# KiCad board phase-control.kicad_pcb (continued)
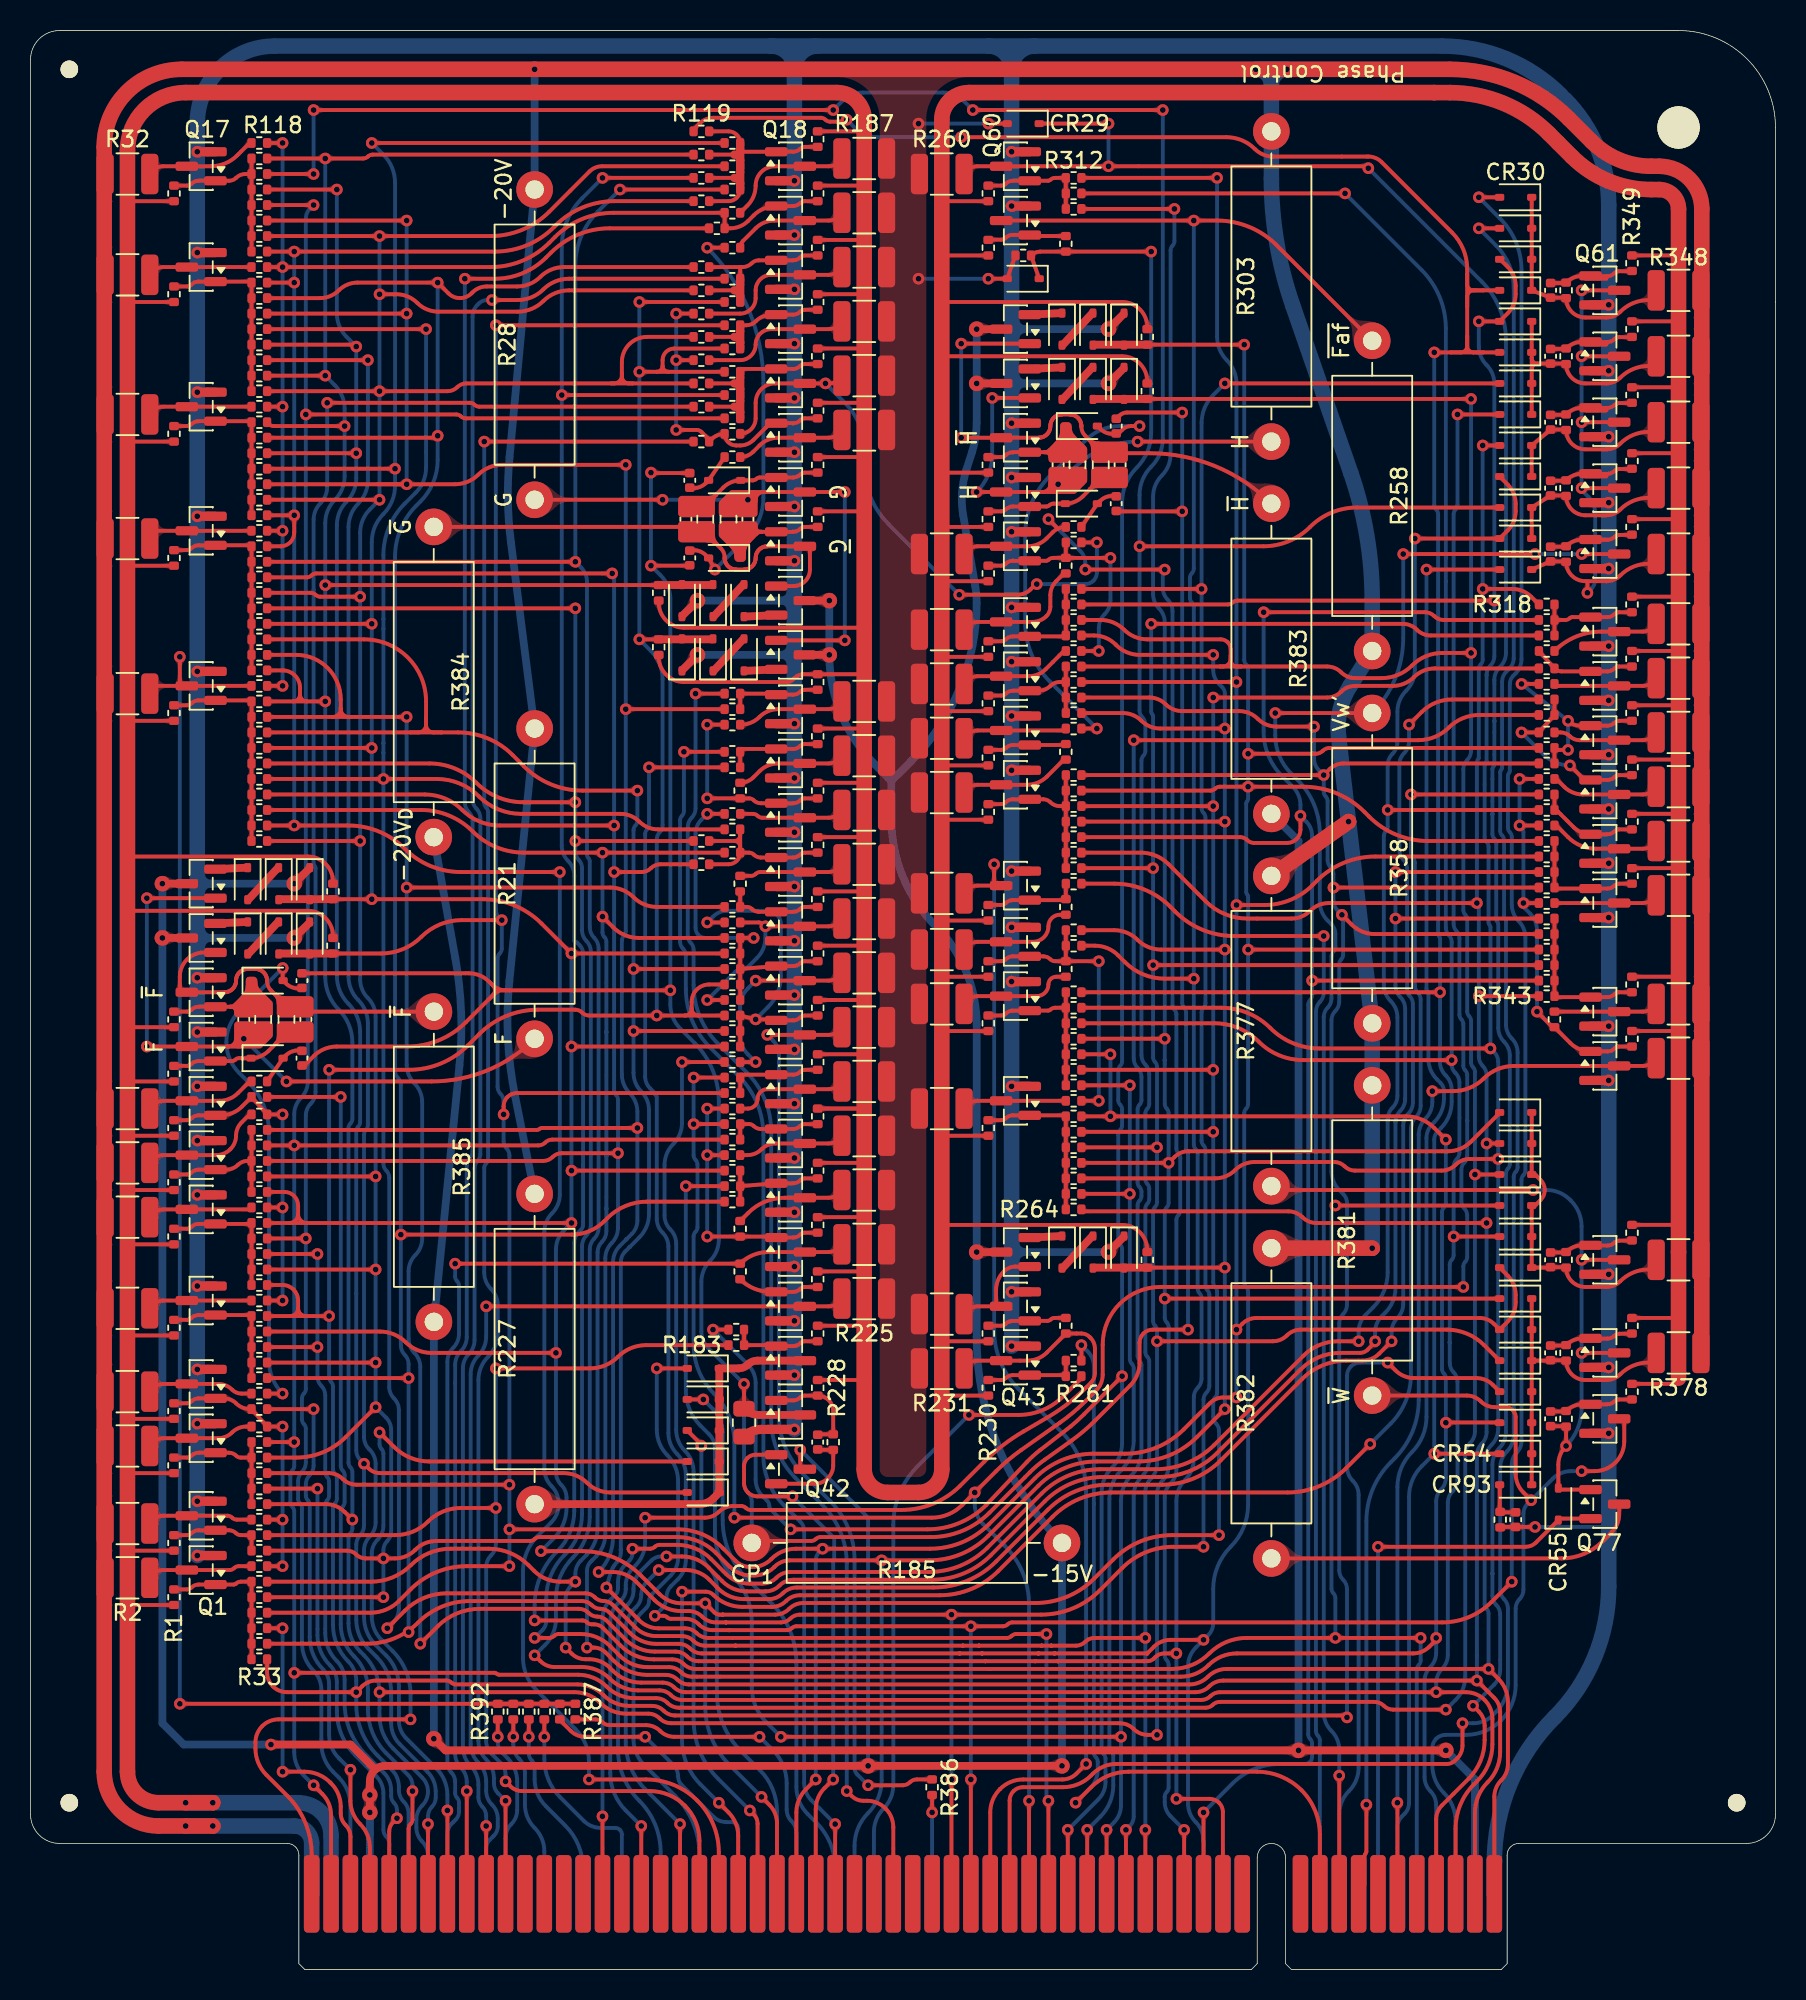
[diagram p0: board, top side]
## Routing (per net, layer and track width the routed paths; a pad name or vN(x,y) marks a point on that pad's centre or on a via; arc(x,y) is an arc through that point) (continued)
~{Q2}: length 349.4
  Top w0.254: v1(86.11,116.33) R311.1 ; v1(93.09,59.56) 83.37,59.56 arc(81.79,59.88) 80.45,60.77 arc(79.12,61.66) 77.54,61.98 R276.1 ; v1(93.22,48.01) CR47.2 ; v1(33.02,20.57) 33.4,20.19 arc(33.82,19.91) 34.32,19.81 36.1,19.81 arc(37.1,19.61) 37.94,19.05 arc(38.79,18.48) 39.79,18.28 41.2,18.28 arc(41.61,18.2) 41.95,17.97 arc(42.3,17.73) 42.71,17.65 44.73,17.65 76.68,17.65 arc(77.01,17.72) 77.3,17.91 arc(77.58,18.09) 77.91,18.16 v1(92.08,18.16) 94.02,18.16 arc(94.69,18.03) 95.25,17.65 arc(95.63,17.09) 95.76,16.43 95.76,14.75 arc(95.5,13.44) 94.76,12.33 94.55,12.13 arc(93.66,10.79) 93.34,9.22 93.34,4.95 ; v1(38.61,116.59) R124.1 ; v1(35.69,92.2) R91.1
  Bottom w0.254: v1(38.61,116.59) 37.15,115.13 arc(36.07,113.51) 35.69,111.6 v1(35.69,92.2) 36.07,91.82 arc(36.35,91.4) 36.45,90.9 36.45,73.03 arc(36.47,72.91) 36.54,72.81 arc(36.61,72.7) 36.63,72.58 36.63,68.27 arc(36.71,67.89) 36.92,67.57 arc(37.14,67.25) 37.21,66.88 37.21,48.57 arc(37.14,48.19) 36.92,47.87 arc(36.71,47.55) 36.63,47.17 36.63,29.65 arc(36.35,28.2) 35.52,26.98 arc(34.7,25.75) 34.42,24.3 34.42,22.96 arc(34.24,22.05) 33.72,21.27 v1(33.02,20.57) ; v1(86.11,116.33) 91.12,111.32 arc(92.3,109.56) 92.71,107.47 92.71,68.21 arc(92.76,67.97) 92.9,67.75 arc(93.04,67.54) 93.09,67.29 v1(93.09,59.56) 93.09,59.26 arc(93.15,58.99) 93.3,58.75 93.34,58.71 arc(93.53,58.43) 93.6,58.1 93.6,53.52 arc(93.55,53.27) 93.41,53.06 arc(93.27,52.84) 93.22,52.6 v1(93.22,48.01) 93.22,46.79 arc(93.18,46.62) 93.09,46.48 arc(93,46.34) 92.96,46.18 92.96,39.73 arc(93.03,39.39) 93.22,39.11 arc(93.41,38.83) 93.47,38.5 93.47,32.09 arc(93.39,31.68) 93.15,31.33 arc(92.92,30.98) 92.84,30.56 92.84,20.6 arc(92.74,20.11) 92.46,19.68 arc(92.17,19.26) 92.08,18.77 v1(92.08,18.16)
~{Q3}: length 262.4
  Top w0.254: v1(35.69,89.15) R88.1 ; v1(92.08,21.72) 92.08,21.65 arc(92.06,21.59) 92.03,21.55 91.63,21.15 arc(91.14,20.82) 90.56,20.7 79.01,20.7 arc(78.02,20.5) 77.17,19.94 arc(76.33,19.38) 75.33,19.18 45.17,19.18 43.34,19.18 arc(42.93,19.26) 42.58,19.49 arc(42.24,19.72) 41.83,19.8 40.41,19.8 arc(39.42,20) 38.59,20.56 37.98,21.17 arc(37.09,21.76) 36.04,21.97 34.6,21.97 arc(34.43,21.94) 34.29,21.84 arc(34.15,21.75) 33.98,21.72 v1(33.02,21.72) ; R78.1 26.14,78.99 arc(27.8,78.66) 29.2,77.72 arc(30.61,76.78) 32.27,76.45 v1(35.69,76.45) ; v1(92.71,35.81) 92.73,35.81 arc(92.74,35.82) 92.75,35.82 arc(92.76,35.83) 92.77,35.83 96.2,35.83 arc(96.22,35.83) 96.22,35.82 CR53.2 ; v1(70.74,59.94) 68.84,59.94 arc(68.84,59.94) R274.1 ; v1(35.69,73.91) R156.1 ; v1(92.71,54.36) 91.95,55.12 arc(91.1,55.68) 90.11,55.88 v1(70.74,55.88) 68.84,55.88 arc(68.84,55.88) R270.1
  Bottom w0.254: v1(70.74,59.94) v1(70.74,55.88) ; v1(35.69,89.15) v1(35.69,76.45) v1(35.69,73.91) 35.69,73.21 arc(35.74,72.92) 35.91,72.68 arc(36.07,72.44) 36.12,72.15 36.12,68.06 arc(36.2,67.68) 36.41,67.36 arc(36.63,67.04) 36.7,66.67 36.7,48.78 arc(36.63,48.4) 36.41,48.08 arc(36.2,47.76) 36.12,47.38 36.12,29.82 arc(35.84,28.41) 35.05,27.22 34.95,27.12 arc(34.09,25.83) 33.78,24.29 33.78,22.82 arc(33.72,22.51) 33.54,22.24 v1(33.02,21.72) ; v1(92.71,54.36) 92.71,50.22 arc(92.68,50.05) 92.58,49.91 arc(92.49,49.77) 92.46,49.6 92.46,39.34 arc(92.49,39.17) 92.58,39.03 arc(92.68,38.89) 92.71,38.72 v1(92.71,35.81) 92.71,32.2 arc(92.63,31.78) 92.39,31.43 arc(92.16,31.08) 92.08,30.67 v1(92.08,21.72) 92.08,20.73 arc(91.98,20.23) 91.69,19.81 arc(91.41,19.39) 91.31,18.89 91.31,12.6 arc(91.41,12.11) 91.69,11.68 arc(91.98,11.26) 92.08,10.76 92.08,4.95
~{Q4}: length 399.1
  Top w0.254: v1(36.45,21.08) 36.9,21.08 arc(37.31,21) 37.66,20.77 38.24,20.19 arc(39.23,19.53) 40.39,19.3 41.62,19.3 arc(42.03,19.21) 42.37,18.98 arc(42.72,18.75) 43.13,18.67 44.96,18.67 75.9,18.67 arc(76.57,18.8) 77.13,19.18 arc(77.69,19.55) 78.36,19.68 v1(95.5,19.68) 96.14,19.05 arc(96.61,18.35) 96.77,17.52 96.77,13.46 arc(96.66,12.87) 96.33,12.38 arc(96,11.89) 95.89,11.31 95.89,5.13 arc(95.93,5.06) 96.01,5.08 96.14,5.21 ; v1(95.89,89.66) 79.05,89.66 arc(78.88,89.63) 78.74,89.53 arc(78.6,89.44) 78.43,89.41 R300.1 ; R266.1 77.6,51.82 arc(78.3,51.96) 78.9,52.35 arc(79.49,52.75) 80.19,52.89 85.4,52.89 arc(85.76,52.82) 86.08,52.61 arc(86.39,52.4) 86.76,52.32 92.43,52.32 arc(92.92,52.42) 93.34,52.7 arc(93.77,52.99) 94.26,53.09 v1(96.14,53.09) ; R65.1 33.58,52.96 arc(33.91,53.03) 34.2,53.21 arc(34.48,53.4) 34.81,53.47 v1(38.48,53.47) ; R158.1 41.25,72.39 arc(40.92,72.32) 40.64,72.14 arc(40.36,71.95) 40.03,71.88 v1(38.23,71.88) ; v1(38.23,74.93) 30.73,74.93 arc(29.4,75.19) 28.28,75.95 arc(27.15,76.7) 25.82,76.96 R76.1 ; R90.1 18.11,91.19 arc(18.27,91.22) 18.41,91.31 arc(18.56,91.41) 18.72,91.44 38.1,91.44 arc(38.1,91.44) 38.1,91.44 v1(38.1,91.44) ; CR32.2 96.25,112.01 arc(96.26,112.01) 96.28,112 96.77,111.51 arc(97.15,110.94) 97.28,110.28 97.28,109.74 arc(97.15,109.06) 96.76,108.47 CR34.2 v1(94.87,107.95) ; R277.1 78,62.99 arc(79.74,62.65) 81.22,61.66 arc(82.69,60.67) 84.44,60.32 v1(95.63,60.32)
  Bottom w0.254: v1(36.45,21.08) 36.45,26.12 arc(36.51,26.44) 36.69,26.71 37.05,27.06 arc(37.49,27.73) 37.65,28.51 37.65,46.57 arc(37.76,47.11) 38.06,47.58 arc(38.37,48.04) 38.48,48.58 v1(38.48,53.47) 38.48,56.97 arc(38.45,57.14) 38.35,57.28 arc(38.26,57.42) 38.23,57.58 v1(38.23,71.88) v1(38.23,74.93) 38.23,91.23 arc(38.21,91.31) 38.16,91.38 v1(38.1,91.44) ; v1(95.5,19.68) 95.5,23.32 arc(95.47,23.48) 95.38,23.62 arc(95.28,23.76) 95.25,23.93 95.25,33.28 arc(95.37,33.86) 95.69,34.35 arc(96.02,34.84) 96.14,35.42 v1(96.14,53.09) 96.14,59.46 arc(96.07,59.79) 95.89,60.07 v1(95.63,60.32) 95.63,68.27 arc(95.61,68.35) 95.57,68.42 arc(95.52,68.49) 95.5,68.58 95.5,73.55 arc(95.47,73.72) 95.38,73.86 arc(95.28,74) 95.25,74.16 95.25,78.84 arc(95.27,78.92) 95.31,78.99 arc(95.36,79.06) 95.38,79.14 95.38,84.79 95.38,84.79 arc(95.44,85.12) 95.63,85.4 arc(95.82,85.68) 95.89,86.02 v1(95.89,89.66) 95.89,103.87 arc(95.75,104.53) 95.38,105.09 arc(95,105.66) 94.87,106.32 v1(94.87,107.95)
~{r1}: length 62.9
  Top w0.254: v1(29.84,43.43) Q39.3 52.28,43.43 arc(52.61,43.5) 52.89,43.69 R225.2
  Bottom w0.254: v1(29.84,43.43) 29.84,41.44 arc(29.71,40.78) 29.34,40.22 arc(28.96,39.65) 28.83,38.99 28.83,14.77 arc(28.96,14.11) 29.34,13.55 arc(29.71,12.98) 29.84,12.32 29.84,11.71 arc(29.94,11.22) 30.23,10.79 arc(30.51,10.37) 30.61,9.88 30.61,9.37 arc(30.54,9.04) 30.35,8.76 30.07,8.48 arc(29.9,8.23) 29.84,7.94 29.84,4.95
~{R}: length 60.4
  Top w0.254: v1(72.01,50.8) R265.1 ; v1(72.01,57.91) 71.88,57.91 arc(71.88,57.91) 71.88,57.91 R272.1 ; v1(69.21,9.14) 69.21,4.95
  Bottom w0.254: v1(69.21,9.14) 70.07,10 arc(70.7,10.94) 70.92,12.06 70.92,14.02 arc(70.89,14.18) 70.8,14.33 arc(70.7,14.47) 70.67,14.63 70.67,30.81 arc(70.88,31.85) 71.47,32.73 arc(72.06,33.61) 72.26,34.66 72.26,39.37 arc(72.23,39.54) 72.14,39.68 arc(72.04,39.82) 72.01,39.98 v1(72.01,50.8) v1(72.01,57.91)
~{S2}: length 45.6
  Top w0.254: v1(88.9,39.75) 89.41,39.24 arc(89.97,38.87) 90.63,38.73 94.71,38.73 arc(95.3,38.62) 95.79,38.29 CR52.2
  Bottom w0.254: 85.73,4.95 85.73,10.15 arc(85.89,10.98) 86.36,11.68 arc(86.83,12.39) 86.99,13.22 86.99,31.08 arc(86.9,31.58) 86.61,32 arc(86.33,32.43) 86.23,32.92 86.23,38.88 arc(86.3,39.22) 86.49,39.5 arc(86.77,39.68) 87.1,39.75 v1(88.9,39.75)
~{T3}: length 70.6
  Top w0.254: v1(40.26,29.59) 44.17,29.59 arc(44.66,29.69) 45.08,29.97 arc(45.51,30.25) 46,30.35 46.56,30.35 arc(46.72,30.32) 46.86,30.23 arc(47,30.13) 47.17,30.1 57.06,30.1 arc(59.14,30.51) 60.9,31.69 62.46,33.25 arc(63.69,34.33) 65.05,35.25 66.56,36.13 arc(67.92,37.04) 69.15,38.12 69.46,38.43 arc(69.65,38.72) 69.72,39.07 69.72,40.68 arc(69.65,41.05) 69.44,41.37 69.37,41.43 arc(69.13,41.6) 68.83,41.66 68.52,41.66 68.51,41.65 R263.1 66.57,40.41 arc(65.98,40.02) 65.29,39.88 Q43.3 62.02,39.88 arc(61.69,39.81) 61.41,39.62 R231.2 ; v1(40,9.4) 40,4.95
  Bottom w0.254: v1(40,9.4) 38.99,10.41 arc(38.24,11.54) 37.97,12.87 37.97,22.76 arc(38.11,23.42) 38.48,23.98 38.71,24.22 arc(38.92,24.52) 38.99,24.89 38.99,25.16 arc(39.11,25.77) 39.46,26.3 39.62,26.46 arc(40.09,27.16) 40.26,27.99 v1(40.26,29.59)
~{W}: length 55.4
  Top w0.254: R381.2 94.08,37.59 arc(94.57,37.49) 95,37.21 arc(95.42,36.93) 95.92,36.83 96.63,36.83 arc(96.88,36.78) 97.09,36.64 arc(97.23,36.43) 97.28,36.18 97.28,32.47 arc(97.41,31.8) 97.79,31.24 v1(98.3,30.73) ; 104.39,36.07 104.39,34.59 arc(104.25,33.84) 103.82,33.21 arc(103.19,32.79) 102.44,32.64 v1(101.6,32.64)
  Bottom w0.254: v1(101.6,32.64) 100.9,32.64 arc(100.26,32.51) 99.71,32.15 v1(98.3,30.73) 98.04,30.48 arc(97.86,30.2) 97.79,29.87 97.79,24.87 arc(97.72,24.54) 97.54,24.26 arc(97.35,23.98) 97.28,23.64 97.28,18.62 arc(97.03,17.37) 96.33,16.32 arc(95.27,15.61) 94.03,15.37 92.69,15.37 arc(92.36,15.3) 92.08,15.11 arc(91.89,14.83) 91.82,14.5 91.82,13.4 arc(92.02,12.4) 92.58,11.56 arc(93.15,10.71) 93.34,9.72 93.34,4.95
~{β6}: length 38.9
  Top w0.254: v1(65.91,90.74) 65.88,90.74 arc(65.85,90.74) 65.83,90.72 65.5,90.39 arc(65.11,90.13) 64.66,90.04 v1(60.83,90.04) ; R195.2 52.84,104.09 arc(52.62,103.94) 52.35,103.89 v1(52.07,103.89) Q22.3 48.77,103.89 arc(47.87,103.51) 47.5,102.62 47.5,101.6 arc(47.2,100.88) R143.1 ; v1(69.85,93.47) R304.1
  Bottom w0.254: v1(65.91,90.74) 69.09,90.74 arc(69.38,90.8) 69.63,90.96 arc(69.79,91.21) 69.85,91.5 v1(69.85,93.47) ; v1(52.07,103.89) 53.34,102.62 arc(54.28,101.21) 54.61,99.55 54.61,98.52 arc(55.02,96.44) 56.2,94.67 v1(60.83,90.04)
α9: length 138.8
  Top w0.254: R286.1 79.23,74.17 arc(79.48,74.12) 79.69,73.98 arc(79.9,73.84) 80.15,73.79 82.32,73.79 arc(82.65,73.85) 82.93,74.04 arc(83.12,74.32) 83.18,74.65 v1(83.18,75.56) ; v1(80.77,88.9) 91.33,88.9 arc(91.67,88.83) 91.95,88.65 arc(92.23,88.46) 92.56,88.39 R319.1 ; R342.1 83.95,64.77 v1(83.95,64.77) ; v1(76.83,10.29) 76.83,4.95
  Bottom w0.254: v1(76.83,10.29) 78.71,12.16 arc(80.15,13.12) 81.85,13.46 83.49,13.46 arc(83.67,13.5) 83.81,13.6 arc(83.91,13.74) 83.95,13.92 83.95,14.79 arc(83.91,14.96) 83.82,15.1 arc(83.73,15.24) 83.69,15.41 83.69,63.19 arc(83.73,63.36) 83.82,63.5 arc(83.91,63.64) 83.95,63.81 v1(83.95,64.77) 83.95,74.26 arc(83.85,74.76) 83.57,75.18 v1(83.18,75.56) 83.18,76.26 arc(83.06,76.91) 82.69,77.46 81.98,78.17 arc(81.09,79.5) 80.77,81.08 v1(80.77,88.9)
Net-(CR1-A): length 3
  Top w0.254: R70.1 16.47,59.59 arc(16.55,59.69) 16.63,59.78 16.72,59.86 arc(17.09,60.11) 17.53,60.2
Net-(CR1-K): length 8.3
  Top w0.254: 12.15,59.47 12.18,59.44 ; 12.15,59.47 arc(12.14,59.49) 12.16,59.5 ; 12.15,59.47 arc(12.11,59.49) 12.07,59.5 ; 12.07,59.5 12.16,59.5 ; 12.07,59.5 11.01,59.5 arc(10.75,59.45) 10.54,59.31 arc(10.4,59.22) 10.24,59.18 R17.1 ; 12.16,59.5 13.2,59.5 arc(13.32,59.52) 13.41,59.59 arc(13.52,59.66) 13.66,59.69 CR1.1 arc(15.06,59.81) 15.59,60.16 16.06,60.64 ; 16.08,60.65 16.07,60.65 16.08,60.65 ; 16.08,60.65 arc(16.21,60.85) 16.26,61.09 ; 16.08,60.65 arc(16.28,60.79) 16.51,60.83
Net-(CR2-A): length 33.1
  Top w0.254: CR2.2 16.53,64.78 arc(16.52,64.8) 16.52,64.82 v1(16.52,65.59) ; v1(16.51,37.72) R50.2 ; 16.72,64.6 arc(17.09,64.35) 17.53,64.26
  Bottom w0.254: v1(16.52,65.59) 13.65,62.73 arc(13.04,61.81) 12.83,60.73 arc(13.04,59.65) 13.65,58.74 14.22,58.17 arc(15.26,56.62) 15.62,54.79 15.62,39.87 arc(15.85,38.7) v1(16.51,37.72)
Net-(CR2-K): length 7.3
  Top w0.254: 13.08,63.06 Q10.1 11.01,63.06 arc(10.75,63.01) 10.54,62.86 arc(10.4,62.77) 10.24,62.74 R18.1 ; 13.08,63.06 13.46,63.06 ; 13.08,63.06 13.14,63.06 arc(13.37,62.96) 13.46,62.74 ; 13.08,63.06 arc(13.26,63.09) 13.41,63.19 13.92,63.7 ; 14.22,64.43 arc(14.15,64.04) 13.93,63.71 ; 14.73,64.67 arc(14.8,64.34) 14.99,64.06
Net-(CR4-K): length 2.9
  Top w0.508: 16.22,68.61 14.26,66.51
Net-(CR5-K): length 2.1
  Top w0.508: 14.19,68.61 Q11.2
Net-(CR7-K): length 2.9
  Top w0.508: 16.22,72.17 14.26,70.07
Net-(CR8-K): length 2.1
  Top w0.508: 14.19,72.17 Q12.2
Net-(CR9-A): length 3
  Top w0.254: R145.1 44.49,97.64 arc(44.41,97.54) 44.33,97.45 44.24,97.36 arc(43.87,97.12) 43.43,97.03
Net-(CR9-K): length 8.3
  Top w0.254: R198.1 50.72,98.04 arc(50.56,98.01) 50.42,97.92 arc(50.21,97.77) 49.95,97.72 48.89,97.72 ; 48.8,97.72 47.76,97.72 arc(47.64,97.7) 47.55,97.64 arc(47.44,97.56) 47.3,97.54 CR9.1 arc(45.9,97.41) 45.37,97.06 44.9,96.59 ; 48.8,97.72 48.89,97.72 ; 48.8,97.72 arc(48.82,97.74) 48.81,97.76 ; 44.88,96.57 44.89,96.58 44.88,96.57 ; 44.88,96.57 arc(44.68,96.44) 44.45,96.39 ; 44.88,96.57 arc(44.75,96.37) 44.7,96.14 ; 48.89,97.72 arc(48.85,97.73) 48.81,97.76 ; 48.81,97.76 48.78,97.79
Net-(CR10-A): length 26.1
  Top w0.254: v1(44.32,112.78) R128.2 ; v1(44.83,91.69) CR10.2 ; 44.24,92.63 arc(43.87,92.88) 43.43,92.96
  Bottom w0.254: v1(44.83,91.69) 46.93,93.79 arc(47.73,94.99) 48.01,96.39 48.01,103.88 arc(47.05,108.7) v1(44.32,112.78)
Net-(CR10-K): length 7.3
  Top w0.254: 47.04,93.52 47.55,94.03 arc(47.7,94.13) 47.88,94.17 ; R199.1 50.72,94.49 arc(50.56,94.45) 50.42,94.36 arc(50.21,94.22) 49.95,94.17 Q25.1 47.88,94.17 ; 47.88,94.17 47.5,94.17 ; 47.88,94.17 47.82,94.17 arc(47.59,94.26) 47.5,94.49 ; 46.74,92.8 arc(46.81,93.19) 47.03,93.52 ; 46.23,92.55 arc(46.16,92.89) 45.97,93.17
Net-(CR12-K): length 2.9
  Top w0.508: 44.74,88.61 46.7,90.71
Net-(CR13-K): length 2.1
  Top w0.508: 46.77,88.61 Q26.2
Net-(CR16-A): length 2.9
  Top w0.508: 44.74,85.06 46.7,87.16
Net-(CR16-K): length 2.1
  Top w0.508: 46.77,85.06 Q27.2
Net-(CR20-A): length 3
  Top w0.254: R305.1 69.81,95.91 arc(69.89,96.01) 69.97,96.1 70.06,96.18 arc(70.43,96.43) 70.87,96.52
Net-(CR20-K): length 8.3
  Top w0.254: 65.41,95.82 65.5,95.82 ; 65.41,95.82 64.35,95.82 arc(64.09,95.77) 63.88,95.63 arc(63.74,95.54) 63.58,95.51 R253.1 ; 65.41,95.82 arc(65.45,95.82) 65.49,95.79 ; 65.5,95.82 66.54,95.82 arc(66.66,95.85) 66.75,95.91 arc(66.86,95.99) 67,96.01 CR20.1 arc(68.4,96.13) 68.93,96.49 69.4,96.96 ; 65.5,95.82 arc(65.48,95.81) 65.49,95.79 ; 69.42,96.98 69.41,96.97 69.42,96.98 ; 69.42,96.98 arc(69.62,97.11) 69.85,97.15 ; 69.42,96.98 arc(69.55,97.17) 69.6,97.41 ; 65.49,95.79 65.52,95.76
Net-(CR21-A): length 29.4
  Top w0.254: v1(72.64,101.09) 72.09,101.09 arc(71.78,101.03) 71.52,100.85 71.33,100.67 arc(71.27,100.63) 71.2,100.61 C12.1 ; v1(69.85,81.28) R292.2 ; 70.06,100.92 arc(70.43,100.67) 70.87,100.58
  Bottom w0.254: v1(69.85,81.28) 66.74,84.39 arc(65.57,86.15) 65.15,88.23 65.15,93.95 arc(65.57,96.03) 66.74,97.79 69.12,100.17 arc(70.14,100.85) 71.34,101.09 v1(72.64,101.09)
Net-(CR21-K): length 7.3
  Top w0.254: 66.42,99.38 Q56.1 64.35,99.38 arc(64.09,99.33) 63.88,99.19 arc(63.74,99.09) 63.58,99.06 R254.1 ; 66.42,99.38 66.48,99.38 arc(66.71,99.29) 66.8,99.06 ; 66.42,99.38 66.8,99.38 ; 66.42,99.38 arc(66.6,99.42) 66.75,99.52 67.26,100.03 ; 67.56,100.75 arc(67.49,100.36) 67.27,100.03 ; 68.07,100.99 arc(68.14,100.66) 68.33,100.38
Net-(CR23-K): length 2.9
  Top w0.508: 69.56,104.94 67.6,102.84
Net-(CR24-K): length 2.1
  Top w0.508: 67.53,104.94 Q57.2
Net-(CR26-K): length 2.9
  Top w0.508: 69.56,108.49 67.6,106.39
Net-(CR27-K): length 2.1
  Top w0.508: 67.53,108.49 Q58.2
Net-(CR30-K): length 15.1
  Top w0.254: C14.2 CR33.1 CR30.1 ; C14.2 100.51,109.5 arc(100.55,109.49) R313.1 arc(100.96,108.58) 101.85,108.2 103.22,108.2 arc(103.72,108.3) 104.14,108.58 arc(104.98,109.15) 105.98,109.35 106.17,109.35 ; C14.2 arc(99.54,109.48) 99.5,109.47
Net-(CR34-K): length 15.8
  Top w0.254: 98.33,105.55 CR35.1 CR34.1 ; 98.33,105.55 98.33,104.82 ; 98.33,105.55 arc(98.44,105.29) 98.7,105.18 ; 98.33,104.82 CR37.1 ; 98.33,104.82 arc(98.44,105.08) 98.7,105.18 ; 98.7,105.18 C15.2 100.51,105.18 arc(100.55,105.18) R314.1 arc(100.96,104.26) 101.85,103.89 103.22,103.89 arc(103.72,103.99) 104.14,104.27 arc(104.98,104.83) 105.98,105.03 106.17,105.03
Net-(CR38-K): length 11.3
  Top w0.254: 106.17,100.71 105.98,100.71 arc(104.98,100.51) 104.14,99.95 arc(103.72,99.67) 103.22,99.57 101.85,99.57 arc(100.96,99.94) R315.1 arc(100.55,100.86) 100.51,100.87 C16.2 CR38.1 CR39.1
Net-(CR40-K): length 11.1
  Top w0.254: CR41.1 CR40.1 C17.2 100.51,96.55 arc(100.55,96.54) R316.1 arc(100.96,95.62) 101.85,95.25 103.22,95.25 arc(103.72,95.35) 104.14,95.63 arc(104.98,96.19) 105.98,96.39 106.17,96.39
Net-(CR42-K): length 39.9
  Top w0.254: v1(101.98,90.17) 101.98,90.93 ; 106.17,92.07 105.98,92.07 arc(104.98,91.88) 104.14,91.31 arc(103.72,91.03) 103.22,90.93 101.85,90.93 arc(100.96,91.3) R317.1 arc(100.55,92.22) 100.51,92.23 C18.2 CR42.1 ; v1(101.6,105.66) Q62.3 ; v1(101.6,101.35) Q63.3 ; v1(101.6,109.98) Q61.3 ; v1(101.6,97.03) Q64.3
  Bottom w0.254: v1(101.98,90.17) 102.23,90.42 arc(102.42,90.71) 102.49,91.04 102.49,95.38 arc(102.37,95.96) 102.04,96.46 101.64,96.86 arc(101.61,96.91) 101.6,96.96 v1(101.6,97.03) v1(101.6,109.98)
Net-(CR43-K): length 19.8
  Top w0.254: CR43.1 98.33,52.1 ; 106.17,45.85 105.98,45.85 arc(104.98,45.65) 104.14,45.08 arc(103.72,44.8) 103.22,44.7 101.85,44.7 arc(100.96,45.08) R345.1 arc(100.55,45.99) 100.51,46 99.58,46 arc(99.57,46) 99.57,45.99 arc(99.56,45.98) 99.55,45.97 CR48.1 98.33,49.94 ; CR45.1 98.44,52.07 arc(98.54,52.05) 98.63,51.99 98.92,51.7 arc(99.12,51.41) 99.19,51.05 arc(99.12,50.7) 98.92,50.4 98.63,50.12 arc(98.54,50.06) 98.44,50.04 CR46.1
Net-(CR49-K): length 21.1
  Top w0.254: CR49.1 CR52.1 CR93.1 ; CR51.1 99.55,39.88 arc(99.56,39.88) 99.57,39.89 arc(99.57,39.9) 99.58,39.91 100.51,39.91 arc(100.55,39.9) R346.1 arc(100.96,38.98) 101.85,38.61 103.22,38.61 arc(103.72,38.71) 104.14,38.99 arc(104.98,39.55) 105.98,39.75 106.17,39.75
Net-(CR55-A): length 49
  Top w0.254: v1(98.42,51.05) 81.71,51.05 arc(81.55,51.09) 81.41,51.18 R377.2 ; v1(101.6,40.39) Q75.3 ; Q77.1 100.13,31.43 arc(100.09,31.44) 100.08,31.48 ; 100.08,31.58 100.08,31.48 ; 100.08,31.58 100.08,33.06 arc(100.21,33.73) v1(100.58,34.29) R347.1 arc(100.55,35.58) 100.51,35.59 C21.2 ; 100.08,31.58 arc(100.07,31.53) 100.04,31.49 ; 100.08,31.48 arc(100.06,31.5) 100.04,31.49 ; 100.04,31.49 99.98,31.43 ; v1(101.6,46.48) Q74.3
  Bottom w0.254: v1(98.42,51.05) 99.31,51.05 arc(100.14,50.89) 100.83,50.43 100.9,50.36 arc(101.42,49.58) 101.6,48.67 v1(101.6,46.48) v1(101.6,40.39) 101.6,36.74 arc(101.34,35.42) v1(100.58,34.29)
Net-(CR56-K): length 26.2
  Top w0.508: Q40.3 47.6,39.88 arc(47.27,39.81) 46.99,39.62 arc(46.71,39.44) 46.38,39.37 CR58.1 CR59.1 44.74,30.86 arc(44.32,30.58) 43.82,30.48 R227.2
Net-(CR91-K): length 2.9
  Top w0.508: 69.56,48.04 67.6,45.94
Net-(CR92-K): length 2.1
  Top w0.508: 67.53,48.04 Q45.2
Net-(CR93-A): length 2.8
  Top w0.254: 97.28,29.98 97.28,29.96 arc(97.28,29.95) 97.26,29.94 96.34,29.94 arc(96.3,29.95) R900.1 arc(96.24,30.01) 96.23,30.06 CR93.2
Net-(Q1-B): length 10.3
  Top w0.254: 14.48,20.45 14.48,25.53 ; R1.1 10.24,24.89 arc(10.4,24.93) 10.54,25.02 arc(10.75,25.16) 11.01,25.21 Q1.1 13.31,25.21 arc(13.39,25.23) 13.46,25.27 arc(13.6,25.37) 13.77,25.4 R38.2
Net-(Q1-C): length 6.9
  Top w0.254: R2.2 8.07,25.91 arc(8.35,26.1) 8.68,26.16 Q1.3 13.03,26.16 arc(13.19,26.2) 13.33,26.29 arc(13.48,26.38) 13.64,26.42 R39.1
Net-(Q2-B): length 6.3
  Top w0.254: 14.48,27.56 14.48,28.57 ; R3.1 10.24,28.45 arc(10.4,28.48) 10.54,28.57 arc(10.75,28.72) 11.01,28.77 Q2.1 13,28.77 arc(13.25,28.72) 13.46,28.57 arc(13.6,28.48) 13.77,28.45 R41.2
Net-(Q2-C): length 6.9
  Top w0.254: R4.2 8.07,29.46 arc(8.35,29.65) 8.68,29.72 Q2.3 12.9,29.72 arc(13.07,29.68) 13.21,29.59 arc(13.35,29.5) 13.51,29.46 R42.1
Net-(Q3-B): length 9.3
  Top w0.254: R5.1 10.24,33.53 arc(10.4,33.56) 10.54,33.65 arc(10.75,33.8) 11.01,33.85 Q3.1 13,33.85 arc(13.25,33.8) 13.46,33.65 arc(13.6,33.56) 13.77,33.53 R46.2 ; 14.48,30.61 14.48,34.67
Net-(Q3-C): length 7
  Top w0.254: R6.2 8.07,34.54 arc(8.35,34.73) 8.68,34.8 Q3.3 12.29,34.8 arc(12.79,34.9) 13.21,35.18 arc(13.63,35.46) 14.13,35.56 R48.1
Net-(Q4-B): length 19.1
  Top w0.254: R7.1 10.24,37.09 arc(10.4,37.12) 10.54,37.21 arc(10.75,37.35) 11.01,37.4 12.69,37.4 arc(13.11,37.32) 13.46,37.08 arc(13.88,36.8) 14.38,36.7 14.43,36.7 arc(14.47,36.69) 14.51,36.67 R48.2 v1(16.51,35.56) ; v1(16.51,29.46) R42.2 ; v1(16.51,26.42) R39.2
  Bottom w0.254: v1(16.51,26.42) v1(16.51,29.46) v1(16.51,35.56)
Net-(Q5-B): length 9.2
  Top w0.254: 14.48,38.86 14.48,42.93 ; R9.1 10.24,42.55 arc(10.4,42.58) 10.54,42.67 arc(10.75,42.81) 11.01,42.86 Q5.1 14.32,42.86 arc(14.4,42.85) R55.2
Net-(Q5-C): length 6.8
  Top w0.254: R56.1 Q5.3 8.68,43.81 arc(8.35,43.75) 8.07,43.56 R10.2
Net-(Q6-B): length 9.3
  Top w0.254: R11.1 10.24,48.52 arc(10.4,48.55) 10.54,48.64 arc(10.75,48.78) 11.01,48.83 Q6.1 14.45,48.83 arc(14.47,48.84) 14.48,48.86 R61.2 ; 14.48,44.96 14.48,49.02
Net-(Q6-C): length 6.9
  Top w0.254: R12.2 8.07,49.53 arc(8.35,49.72) 8.68,49.78 Q6.3 14.41,49.78 arc(14.46,49.8) 14.48,49.85 R62.1
Net-(Q7-B): length 9.4
  Top w0.254: R65.2 14.2,52.96 arc(13.87,52.89) 13.59,52.7 arc(13.24,52.47) 12.83,52.39 11.01,52.39 arc(10.75,52.34) 10.54,52.2 arc(10.4,52.1) 10.24,52.07 R13.1 ; 14.48,51.05 14.48,55.12
Net-(Q7-C): length 8.4
  Top w0.254: R14.2 8.07,53.09 arc(8.35,53.27) 8.68,53.34 Q7.3 12.16,53.34 arc(12.66,53.44) 13.08,53.72 13.1,53.74 arc(13.37,54.14) 13.46,54.61 arc(13.56,55.08) 13.82,55.48 14.48,56.13
Net-(Q8-B): length 22.3
  Top w0.254: v1(16.51,49.91) R62.2 ; v1(16.51,43.81) R56.2 ; R15.1 10.24,55.63 arc(10.4,55.66) 10.54,55.75 arc(10.75,55.9) 11.01,55.95 12.47,55.95 arc(13.21,56.09) 13.84,56.51 14.47,57.15 arc(14.47,57.15) 14.48,57.15 arc(14.48,57.15) 14.48,57.15 R68.2 v1(16.51,56.01)
  Bottom w0.254: v1(16.51,43.81) v1(16.51,49.91) v1(16.51,56.01)
Net-(Q13-B): length 14.3
  Top w0.254: R22.1 10.24,82.81 arc(10.4,82.84) 10.54,82.93 arc(10.75,83.07) 11.01,83.12 Q13.1 14.32,83.12 arc(14.4,83.11) R82.2 R73.2
Net-(Q13-C): length 103.8
  Top w0.254: 8.32,84.07 Q13.3 R83.1 ; v1(9.78,85.98) 9.78,84.07 ; v1(9.78,17.4) 31.88,17.4 ; R392.1 R387.1
  Bottom w0.254: v1(9.78,85.98) 9.78,17.4 arc(9.78,17.4) 9.78,17.4 v1(9.78,17.4)
Net-(Q14-B): length 13.3
  Top w0.254: R24.1 10.24,92.97 arc(10.4,93) 10.54,93.09 arc(10.75,93.23) 11.01,93.28 Q14.1 14.32,93.28 arc(14.4,93.27) R92.2 R84.2
Net-(Q14-C): length 6.2
  Top w0.254: 8.32,94.23 Q14.3 R93.1
Net-(Q15-B): length 11.3
  Top w0.254: R26.1 10.24,101.09 arc(10.4,101.13) 10.54,101.22 arc(10.75,101.36) 11.01,101.41 Q15.1 14.32,101.41 arc(14.4,101.39) R100.2 R94.2
Net-(Q15-C): length 6.8
  Top w0.254: R101.1 Q15.3 8.68,102.36 arc(8.35,102.3) 8.07,102.11 R27.2
Net-(Q16-B): length 12.3
  Top w0.254: R102.2 R109.2 arc(14.4,110.54) 14.32,110.56 Q16.1 11.01,110.56 arc(10.75,110.51) 10.54,110.36 arc(10.4,110.27) 10.24,110.24 R29.1
Net-(Q16-C): length 6.8
  Top w0.254: R30.2 8.07,111.25 arc(8.35,111.44) 8.68,111.51 Q16.3 R110.1
Net-(Q17-B): length 11.4
  Top w0.254: R117.2 R111.2 ; R116.2 14.08,117.6 arc(13.74,117.54) 13.46,117.35 arc(13.25,117.21) 13.01,117.16 Q17.1 11.01,117.16 arc(10.75,117.11) 10.54,116.97 arc(10.4,116.87) 10.24,116.84 R31.1
Net-(Q17-C): length 7.3
  Top w0.254: R32.2 8.07,117.86 arc(8.35,118.04) 8.68,118.11 Q17.3 11.81,118.11 arc(12.75,118.3) 13.55,118.83 14.26,119.55 arc(14.36,119.61) R118.1
Net-(Q18-B): length 18.8
  Top w0.254: R121.2 46.1,118.87 arc(46.37,118.98) 46.48,119.25 ; R186.1 50.72,119.38 arc(50.56,119.35) 50.42,119.25 arc(50.21,119.11) 49.95,119.06 Q18.1 46.48,119.06 ; R119.2 45.72,120.4 arc(46.26,120.17) R120.2 ; R125.2 45.72,115.82 arc(46.26,116.05) R124.2 ; R123.2 46.1,117.35 arc(46.37,117.46) 46.48,117.73
  Top w0.54: 46.48,118.49 46.48,116.97 ; 46.48,118.49 R120.2 ; 46.48,118.49 arc(46.37,118.76) 46.1,118.87 ; 46.48,116.97 R124.2 ; 46.48,116.97 arc(46.37,117.24) 46.1,117.35
Net-(Q18-C): length 8.7
  Top w0.254: R187.2 52.89,118.36 arc(52.61,118.18) 52.28,118.11 Q18.3 48.77,118.11 arc(47.87,117.74) 47.5,116.84 arc(47.36,116.13) 46.96,115.54 R126.1
Net-(Q19-B): length 78.3
  Top w0.254: v1(16.51,94.23) R93.2 ; v1(16.51,84.07) R83.2 ; 45.47,115.05 R127.2 45.83,114.05 arc(46.47,114.17) 47.01,114.53 47.37,114.89 arc(48.05,115.34) Q19.1 49.95,115.5 arc(50.21,115.55) 50.42,115.7 arc(50.56,115.79) 50.72,115.82 R188.1 ; v1(16.51,102.36) R101.2 ; v1(16.51,119.63) R118.2 ; R110.2 v1(16.51,111.51) 30.13,111.51 arc(32.21,111.92) 33.98,113.1 34.35,113.47 arc(36.11,114.65) 38.19,115.06 45.42,115.06 arc(45.44,115.05) 45.44,115.03 45.41,115
  Bottom w0.254: v1(16.51,84.07) v1(16.51,94.23) v1(16.51,102.36) v1(16.51,111.51) v1(16.51,119.63)
Net-(Q20-B): length 12.4
  Top w0.254: R131.2 46.1,109.98 arc(46.37,110.09) 46.48,110.36 ; 46.48,111.51 R129.2 ; 46.48,111.51 46.63,111.51 arc(46.96,111.57) 47.24,111.76 arc(47.45,111.9) 47.7,111.95 Q20.1 49.95,111.95 arc(50.21,112) 50.42,112.14 arc(50.56,112.23) 50.72,112.27 R190.1 ; 46.48,111.51 arc(46.48,111.5) 46.48,111.5 R130.2
  Top w0.54: 46.48,109.6 R132.2 ; 46.48,109.6 R130.2 ; 46.48,109.6 arc(46.37,109.87) 46.1,109.98
